# KiCad board shek-rounded.kicad_pcb (continued)
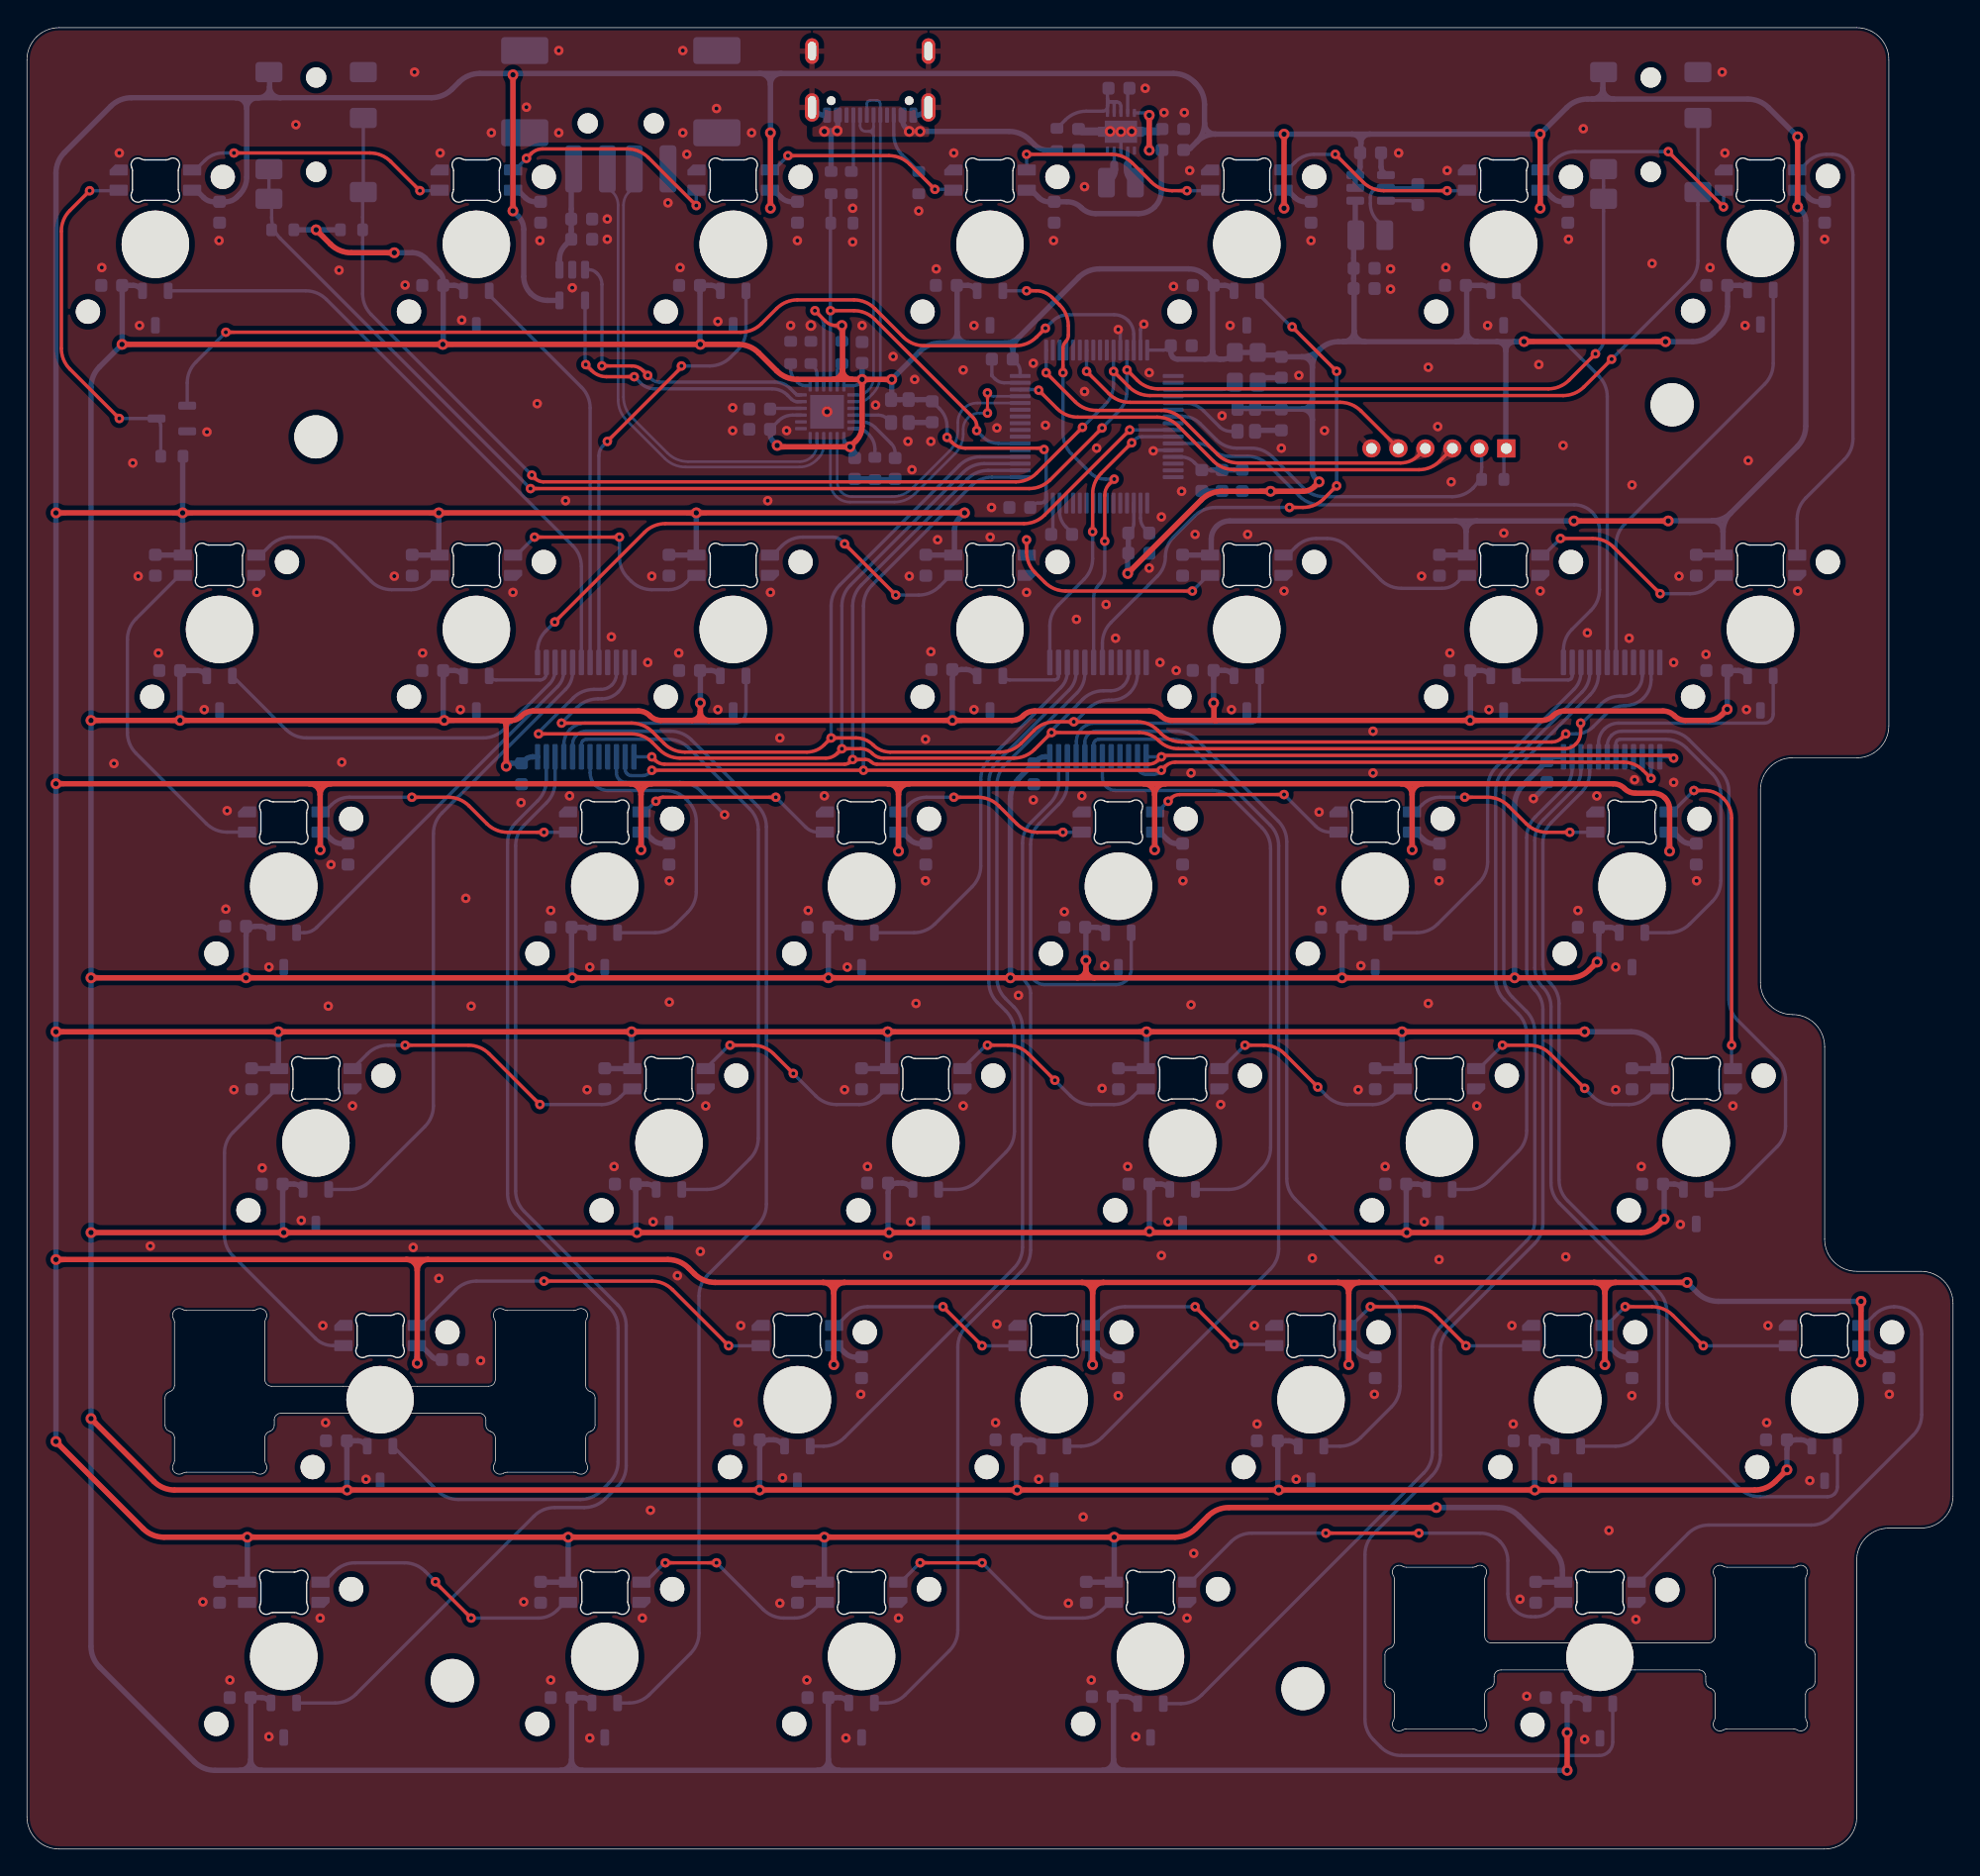
[diagram p0: board, top side]
## Footprints (pads in the part's own frame, mm; a bottom-side part is the same pattern mirrored in y, then rotated)
629104190121
  round 1.5 hole 1.5 unplated: (-2.45,2.9) (2.45,2.9)
  rrect 1.25x3.5 smd: 1(-3.5,6.28) 2(-1,6.28) 3(1,6.28) 4(3.5,6.28)
  rrect 3.5x2 smd: S1(-7.125,3.6) S2(7.125,3.6) S3(-7.125,-2.5) S4(7.125,-2.5)
AMPHENOL_12402012E212A
  round 0.65 hole 0.65 unplated: (-2.89,3.68) (2.89,3.68)
  rrect 0.6x1.14 smd: A1_B12(-3.2,4.75) A4_B9(-2.4,4.75) B1_A12(3.2,4.75) B4_A9(2.4,4.75)
  rrect 0.3x1.14 smd: A5(-1.25,4.75) A6(-0.25,4.75) A7(0.25,4.75) A8(1.25,4.75) B5(1.75,4.75) B6(0.75,4.75) B7(-0.75,4.75) B8(-1.75,4.75)
  oval 1.05x2.1 hole 0.6x1.7: SH1(-4.32,4.18) SH2(4.32,4.18)
  oval 1x1.9 hole 0.6x1.4: SH3(-4.32,0) SH4(4.32,0)
C_0603_1608Metric
  rrect 0.9x0.95 smd: 1(-0.775,0) 2(0.775,0)
Crystal_SMD_Abracon_ABM8G-4Pin_3.2x2.5mm_silkmod
  rrect 1.4x1.2 smd: 1(-1.1,-0.85) 2(1.1,-0.85) 3(1.1,0.85) 4(-1.1,0.85)
HVQFN-24-1EP_4x4mm_P0.5mm_EP2.5x2.5mm
  rrect 1.01x1.01 smd: (-0.625,-0.625) (-0.625,0.625) (0.625,-0.625) (0.625,0.625)
  rrect 0.875x0.25 smd: 1(-1.938,1.25) 2(-1.938,0.75) 3(-1.938,0.25) 4(-1.938,-0.25) 5(-1.938,-0.75) 6(-1.938,-1.25) 13(1.938,-1.25) 14(1.938,-0.75) 15(1.938,-0.25) 16(1.938,0.25) 17(1.938,0.75) 18(1.938,1.25)
  rrect 0.25x0.875 smd: 7(-1.25,-1.938) 8(-0.75,-1.938) 9(-0.25,-1.938) 10(0.25,-1.938) 11(0.75,-1.938) 12(1.25,-1.938) 19(1.25,1.938) 20(0.75,1.938) 21(0.25,1.938) 22(-0.25,1.938) 23(-0.75,1.938) 24(-1.25,1.938)
  rect 2.5x2.5 smd: 25(0,0)
L_0603_1608Metric
  rrect 0.875x0.95 smd: 1(-0.787,0) 2(0.787,0)
L_1008_2520Metric
  rrect 1.25x2.2 smd: 1(-1.075,0) 2(1.075,0)
LED_choc_6028R
  rrect 1.35x0.82 smd: 1(-2.725,-0.75) 2(-2.725,0.75) 3(2.725,-0.75) 4(2.725,0.75)
LQFP-64_10x10mm_P0.5mm
  rrect 1.55x0.3 smd: 1(-5.675,3.75) 2(-5.675,3.25) 3(-5.675,2.75) 4(-5.675,2.25) 5(-5.675,1.75) 6(-5.675,1.25) 7(-5.675,0.75) 8(-5.675,0.25) 9(-5.675,-0.25) 10(-5.675,-0.75) 11(-5.675,-1.25) 12(-5.675,-1.75) 13(-5.675,-2.25) 14(-5.675,-2.75) 15(-5.675,-3.25) 16(-5.675,-3.75) 33(5.675,-3.75) 34(5.675,-3.25) 35(5.675,-2.75) 36(5.675,-2.25) 37(5.675,-1.75) 38(5.675,-1.25) 39(5.675,-0.75) 40(5.675,-0.25) 41(5.675,0.25) 42(5.675,0.75) 43(5.675,1.25) 44(5.675,1.75) 45(5.675,2.25) 46(5.675,2.75) 47(5.675,3.25) 48(5.675,3.75)
  rrect 0.3x1.55 smd: 17(-3.75,-5.675) 18(-3.25,-5.675) 19(-2.75,-5.675) 20(-2.25,-5.675) 21(-1.75,-5.675) 22(-1.25,-5.675) 23(-0.75,-5.675) 24(-0.25,-5.675) 25(0.25,-5.675) 26(0.75,-5.675) 27(1.25,-5.675) 28(1.75,-5.675) 29(2.25,-5.675) 30(2.75,-5.675) 31(3.25,-5.675) 32(3.75,-5.675) 49(3.75,5.675) 50(3.25,5.675) 51(2.75,5.675) 52(2.25,5.675) 53(1.75,5.675) 54(1.25,5.675) 55(0.75,5.675) 56(0.25,5.675) 57(-0.25,5.675) 58(-0.75,5.675) 59(-1.25,5.675) 60(-1.75,5.675) 61(-2.25,5.675) 62(-2.75,5.675) 63(-3.25,5.675) 64(-3.75,5.675)
MountingHole_3.2mm_M3
  round 3.2 hole 3.2 unplated: (0,0)
Oscillator_SMD_SeikoEpson_SG210-4Pin_2.5x2.0mm
  rrect 1.1x0.9 smd: 1(-0.85,-0.65) 2(0.85,-0.65) 3(0.85,0.65) 4(-0.85,0.65)
PinHeader_1x06_P2.00mm_Horizontal
  rect 1.35x1.35 hole 0.8: 1(0,0)
  round 1.35 hole 0.8: 2(0,-2) 3(0,-4) 4(0,-6) 5(0,-8) 6(0,-10)
R_0603_1608Metric
  rrect 0.8x0.95 smd: 1(-0.825,0) 2(0.825,0)
SOT-23-3
  rrect 1.325x0.6 smd: 1(-1.137,0.95) 2(-1.137,-0.95) 3(1.137,0)
SOT-23-3_ChocV2-1.5U
  round 1.8 hole 1.8 unplated: (-5,-5) (5,5)
  round 5 hole 5 unplated: (0,0)
  rrect 0.65x1.22 smd far side: 1(-0.95,-3.45) 2(0.95,-3.45) 3(0,-6.01)
SOT-23-3_ChocV2-1.25U
  round 1.8 hole 1.8 unplated: (-5,-5) (5,5)
  round 5 hole 5 unplated: (0,0)
  rrect 0.65x1.22 smd far side: 1(-0.95,-3.5) 2(0.95,-3.5) 3(0,-6.01)
SOT-23-3_ChocV2-1.75U
  round 1.8 hole 1.8 unplated: (-5,-5) (5,5)
  round 5 hole 5 unplated: (0,0)
  rrect 0.65x1.22 smd far side: 1(-0.95,-3.45) 2(0.95,-3.45) 3(0,-6.01)
SOT-23-3_ChocV2-1U
  round 1.8 hole 1.8 unplated: (-5,-5) (5,5)
  round 5 hole 5 unplated: (0,0)
  rrect 0.65x1.22 smd far side: 1(-0.95,-3.45) 2(0.95,-3.45) 3(0,-6.01)
SOT-23-5
  rrect 1.325x0.6 smd: 1(-1.137,0.95) 2(-1.137,0) 3(-1.137,-0.95) 4(1.137,-0.95) 5(1.137,0.95)
SSOP-24_5.3x8.2mm_P0.65mm
  rrect 1.9x0.4 smd: 1(-3.5,3.575) 2(-3.5,2.925) 3(-3.5,2.275) 4(-3.5,1.625) 5(-3.5,0.975) 6(-3.5,0.325) 7(-3.5,-0.325) 8(-3.5,-0.975) 9(-3.5,-1.625) 10(-3.5,-2.275) 11(-3.5,-2.925) 12(-3.5,-3.575) 13(3.5,-3.575) 14(3.5,-2.925) 15(3.5,-2.275) 16(3.5,-1.625) 17(3.5,-0.975) 18(3.5,-0.325) 19(3.5,0.325) 20(3.5,0.975) 21(3.5,1.625) 22(3.5,2.275) 23(3.5,2.925) 24(3.5,3.575)
TENSILITY_54-00177
  round 1.5 hole 1.5 unplated: (0,-3.5) (0,3.5)
  rrect 2x1.5 smd: 1(3.5,-3.9) 2(-3.5,-3.9) 3(3.5,-0.5) 4(-3.5,3.3) 5(-3.5,5.5) 6(3.5,5)
Texas_DRC0010J
  rrect 0.25x0.34 smd: (-0.25,-1.53) (-0.25,1.53) (0.25,-1.53) (0.25,1.53)
  rrect 1.5x1.06 smd: (0,-0.63) (0,0.63)
  rrect 0.6x0.24 smd: 1(-1.4,1) 2(-1.4,0.5) 3(-1.4,0) 4(-1.4,-0.5) 5(-1.4,-1) 6(1.4,-1) 7(1.4,-0.5) 8(1.4,0) 9(1.4,0.5) 10(1.4,1)
  custom 1.65x3.4 smd: 11(0,0)
TSOT-23-6
  rrect 1.325x0.6 smd: 1(-1.137,0.95) 2(-1.137,0) 3(-1.137,-0.95) 4(1.137,-0.95) 5(1.137,0) 6(1.137,0.95)

## Nets
3V3: C1.2 C2.1 C4.1 C5.1 C14.1 C15.1 C17.1 C18.1 C19.1 C20.1 C21.1 C24.2 C26.2 C34.1 C35.1 C36.1 C37.1 C38.1 C39.1 C40.1 C48.1 C49.1 C50.1 C51.1 C52.1 C53.1 C54.1 C55.1 C56.1 C57.1 C64.1 C65.1 C66.1 C67.1 C68.1 C69.1 C76.1 C77.1 C78.1 C79.1 C80.1 C81.1 C88.1 C89.1 C90.1 C91.1 C92.1 C93.1 C99.1 C100.1 C101.1 C102.1 C103.1 FB1.2 J4.1 L2.2 R6.1 R10.2 R11.2 R12.2 U1.1 U1.9 U1.15 U1.18 U4.1 U5.19 U5.32 U5.48 U5.64 U6.1 U7.1 U8.1 U9.1 U10.1 U11.1 U12.1 U13.1 U14.1 U15.1 U16.1 U17.1 U18.1 U19.1 U20.1 U21.1 U22.1 U23.1 U24.1 U25.1 U26.1 U27.1 U28.1 U29.1 U30.1 U31.1 U32.1 U33.1 U34.1 U35.1 U36.1 U37.1 U38.1 U39.1 U40.1 U41.1 U42.1 U43.24 U44.24 U45.24 Y1.1 Y1.4 Y2.1 Y2.4 Y3.1 Y3.4
5V: C10.1 C11.1 C16.1 C27.2 C28.2 C29.2 C30.2 C31.2 C32.2 C33.2 C41.2 C42.2 C43.2 C44.2 C45.2 C46.2 C47.2 C58.2 C59.2 C60.2 C61.2 C62.2 C63.2 C70.2 C71.2 C72.2 C73.2 C74.2 C75.2 C82.2 C83.2 C84.2 C85.2 C86.2 C87.2 C94.2 C95.2 C96.2 C97.2 C98.2 J3.2 J5.2 LED0.1 LED1.1 LED2.1 LED3.1 LED4.1 LED5.1 LED6.1 LED7.1 LED8.1 LED9.1 LED10.1 LED11.1 LED12.1 LED13.1 LED14.1 LED15.1 LED16.1 LED17.1 LED18.1 LED19.1 LED20.1 LED21.1 LED22.1 LED23.1 LED24.1 LED25.1 LED26.1 LED27.1 LED28.1 LED29.1 LED30.1 LED31.1 LED32.1 LED33.1 LED34.1 LED35.1 LED36.1 R13.2 U2.5 U3.1 U3.10 U4.2 U4.3
/VBUS2: C7.1 C8.1 J2.1 U2.1
/VDDA: C22.1 C23.1 FB1.1 U5.13
GND: C1.1 C2.2 C3.2 C4.2 C5.2 C6.2 C7.2 C8.2 C9.2 C10.2 C11.2 C12.2 C14.2 C15.2 C16.2 C17.2 C18.2 C19.2 C20.2 C21.2 C22.2 C23.2 C24.1 C25.2 C26.1 C27.1 C28.1 C29.1 C30.1 C31.1 C32.1 C33.1 C34.2 C35.2 C36.2 C37.2 C38.2 C39.2 C40.2 C41.1 C42.1 C43.1 C44.1 C45.1 C46.1 C47.1 C48.2 C49.2 C50.2 C51.2 C52.2 C53.2 C54.2 C55.2 C56.2 C57.2 C58.1 C59.1 C60.1 C61.1 C62.1 C63.1 C64.2 C65.2 C66.2 C67.2 C68.2 C69.2 C70.1 C71.1 C72.1 C73.1 C74.1 C75.1 C76.2 C77.2 C78.2 C79.2 C80.2 C81.2 C82.1 C83.1 C84.1 C85.1 C86.1 C87.1 C88.2 C89.2 C90.2 C91.2 C92.2 C93.2 C94.1 C95.1 C96.1 C97.1 C98.1 C99.2 C100.2 C101.2 C102.2 C103.2 J1.A1_B12 J1.B1_A12 J1.SH1 J1.SH2 J1.SH3 J1.SH4 J2.4 J2.S1 J2.S2 J2.S3 J2.S4 J3.1 J4.6 J5.1 LED0.4 LED1.4 LED2.4 LED3.4 LED4.4 LED5.4 LED6.4 LED7.4 LED8.4 LED9.4 LED10.4 LED11.4 LED12.4 LED13.4 LED14.4 LED15.4 LED16.4 LED17.4 LED18.4 LED19.4 LED20.4 LED21.4 LED22.4 LED23.4 LED24.4 LED25.4 LED26.4 LED27.4 LED28.4 LED29.4 LED30.4 LED31.4 LED32.4 LED33.4 LED34.4 LED35.4 LED36.4 Q1.2 R2.1 R3.2 R4.2 R5.2 R7.2 R8.2 U1.25 U2.2 U3.3 U3.9 U3.11 U4.4 U5.12 U5.18 U5.31 U5.47 U5.60 U5.63 U6.3 U7.3 U8.3 U9.3 U10.3 U11.3 U12.3 U13.3 U14.3 U15.3 U16.3 U17.3 U18.3 U19.3 U20.3 U21.3 U22.3 U23.3 U24.3 U25.3 U26.3 U27.3 U28.3 U29.3 U30.3 U31.3 U32.3 U33.3 U34.3 U35.3 U36.3 U37.3 U38.3 U39.3 U40.3 U41.3 U42.3 U43.8 U43.9 U43.12 U43.15 U43.16 U43.17 U44.8 U44.9 U44.12 U44.15 U44.16 U44.17 U45.9 U45.12 U45.15 U45.16 U45.17 Y1.2 Y2.2 Y3.2
VBUS: C9.1 J1.A4_B9 J1.B4_A9 R1.1 R9.2 U3.5
VBUS2_EN: U1.11 U2.4
VBUS_DET: R1.2 R2.2 U1.16 U5.38
DN1_D+: U1.3 U5.45
DN1_D-: U1.2 U5.44
DN2_D+: J2.3 U1.5
DN2_D-: J2.2 U1.4
LED_D: LED6.3 Q1.3 R13.1
MUX0_A2: U12.2 U43.7
MUX0_A3: U11.2 U43.6
MUX0_A4: U41.2 U43.5
MUX0_A5: U30.2 U43.4
MUX0_A6: U24.2 U43.3
MUX0_A7: U18.2 U43.2
MUX0_A8: U42.2 U43.23
MUX0_A9: U36.2 U43.22
MUX0_A10: U37.2 U43.21
MUX0_A11: U19.2 U43.20
MUX0_A12: U31.2 U43.19
MUX0_A13: U25.2 U43.18
MUX0_COM: U5.11 U43.1
MUX1_A2: U10.2 U44.7
MUX1_A3: U9.2 U44.6
MUX1_A4: U33.2 U44.5
MUX1_A5: U28.2 U44.4
MUX1_A6: U22.2 U44.3
MUX1_A7: U16.2 U44.2
MUX1_A8: U40.2 U44.23
MUX1_A9: U23.2 U44.22
MUX1_A10: U17.2 U44.21
MUX1_A11: U35.2 U44.20
MUX1_A12: U34.2 U44.19
MUX1_A13: U29.2 U44.18
MUX1_COM: U5.10 U44.1
MUX2_A1: U8.2 U45.8
MUX2_A2: U7.2 U45.7
MUX2_A3: U6.2 U45.6
MUX2_A4: U26.2 U45.5
MUX2_A5: U20.2 U45.4
MUX2_A6: U13.2 U45.3
MUX2_A7: U14.2 U45.2
MUX2_A8: U32.2 U45.23
MUX2_A9: U38.2 U45.22
MUX2_A10: U15.2 U45.21
MUX2_A11: U39.2 U45.20
MUX2_A12: U27.2 U45.19
MUX2_A13: U21.2 U45.18
MUX2_COM: U5.9 U45.1
MUX_S0: U5.35 U43.10 U44.10 U45.10
MUX_S1: U5.36 U43.11 U44.11 U45.11
MUX_S2: U5.33 U43.14 U44.14 U45.14
MUX_S3: U5.34 U43.13 U44.13 U45.13
NRST: J4.2 R10.1 U5.7
OCS2: U1.12 U2.3
OSC32: U5.3 Y3.3
PH0: U5.5 Y2.3
PH1: U5.6
SCL: J3.4 J3.5 J5.4 J5.5 R12.1 U5.61
SDA: J3.3 J3.6 J5.3 J5.6 R11.1 U5.59
SWCLK: J4.4 U5.49
SWDIO: J4.3 U5.46
SWO: J4.5 U5.55
UP_D+: J1.A6 J1.B6 U1.20
UP_D-: J1.A7 J1.B7 U1.19
XTALIN: U1.22 Y1.3
XTAOUT: U1.21
Net-(J1-CC1_A): J1.A5 R3.1
Net-(J1-CC1_B): J1.B5 R4.1
Net-(LED1-DOUT): LED5.3 LED6.2
Net-(LED2-DOUT): LED4.3 LED5.2
Net-(LED3-DOUT): LED3.3 LED4.2
Net-(LED4-DOUT): LED2.3 LED3.2
Net-(LED5-DOUT): LED1.3 LED2.2
Net-(LED6-DOUT): LED0.3 LED1.2
Net-(LED7-DOUT): LED0.2 LED7.3
Net-(LED8-DOUT): LED7.2 LED8.3
Net-(LED10-DIN): LED8.2 LED9.3
Net-(LED10-DOUT): LED9.2 LED10.3
Net-(LED11-DOUT): LED10.2 LED11.3
Net-(LED12-DOUT): LED11.2 LED12.3
Net-(LED13-DOUT): LED12.2 LED13.3
Net-(LED14-DOUT): LED13.2 LED19.3
Net-(LED15-DOUT): LED18.3 LED19.2
Net-(LED16-DOUT): LED17.3 LED18.2
Net-(LED17-DOUT): LED16.3 LED17.2
Net-(LED18-DOUT): LED15.3 LED16.2
Net-(LED19-DOUT): LED14.3 LED15.2
Net-(LED20-DOUT): LED14.2 LED20.3
Net-(LED21-DOUT): LED20.2 LED21.3
Net-(LED22-DOUT): LED21.2 LED22.3
Net-(LED23-DOUT): LED22.2 LED23.3
Net-(LED24-DOUT): LED23.2 LED24.3
Net-(LED25-DOUT): LED24.2 LED25.3
Net-(LED26-DOUT): LED25.2 LED31.3
Net-(LED27-DOUT): LED30.3 LED31.2
Net-(LED28-DOUT): LED29.3 LED30.2
Net-(LED29-DOUT): LED28.3 LED29.2
Net-(LED30-DOUT): LED27.3 LED28.2
Net-(LED31-DOUT): LED26.3 LED27.2
Net-(LED32-DOUT): LED26.2 LED32.3
Net-(LED33-DOUT): LED32.2 LED33.3
Net-(LED34-DOUT): LED33.2 LED34.3
Net-(LED35-DOUT): LED34.2 LED35.3
Net-(LED36-DOUT): LED35.2 LED36.3
Net-(Q1-G): Q1.1 U5.62
Net-(U1-CRFILT): C6.1 U1.10
Net-(U1-PLLFILT): C3.1 U1.23
Net-(U1-RBIAS): R5.1 U1.24
Net-(U1-SMBCLK*CFG_SEL0): R7.1 U1.14
Net-(U1-SMBDATA*NON_REM1): R8.1 U1.13
Net-(U1-SUSP_IND*LOCAL_PWR*(NON_REM0)): R6.2 U1.17
Net-(U3-EN): C12.1 R9.1 U3.6 U3.7 U3.8
Net-(U3-L1): L1.2 U3.4
Net-(U3-L2): L1.1 U3.2
Net-(U4-BST): C13.2 U4.6
Net-(U4-SW): C13.1 L2.1 U4.5
Net-(U5-VCAP_1): C25.1 U5.30

Pads without a net: J1 A8 B8; LED36 2; U1 6 7 8; U5 1 2 4 8 14 15 16 17 20 21 22 23 24 25 26 27 28 29 37 39 40 41 42 43 50 51 52 53 54 56 57 58

## Via types
v1: diameter 0.7, hole 0.3, Top to Bottom, 381 vias
v2: diameter 0.8, hole 0.4, Top to Bottom, 106 vias

## Routing (per net, layer and track width the routed paths; a pad name or vN(x,y) marks a point on that pad's centre or on a via; arc(x,y) is an arc through that point)
3V3: length 1223.8
  Top w0.25: v1(68.25,104.74) 68.65,104.34 arc(69.09,104.04) 69.62,103.94 75.28,103.94 arc(75.34,103.92) 75.4,103.89 v1(75.45,103.84) ; v1(58.45,114.14) 59.23,113.36 arc(59.58,113.12) 60,113.04 v2(60.45,113.04)
  Top w0.4: 79.2,64.64 77.9,64.64 ; 79.2,64.64 v2(97.55,64.64) 114.47,64.64 arc(115.24,64.79) 115.89,65.23 v2(116.48,65.81) ; 79.2,64.64 arc(78.74,64.83) 78.55,65.29 ; 77.9,64.64 v2(59.45,64.64) v2(40.45,64.64) v2(16.25,64.64) v2(4.75,64.64) ; 77.9,64.64 arc(78.36,64.83) 78.55,65.29 ; v2(88.02,85.04) 88.04,85.03 arc(88.05,85.01) 88.05,84.99 88.05,83.91 arc(88.06,83.84) 88.1,83.79 ; v2(4.75,45.74) v2(19.05,45.74) v2(45.25,45.74) v2(63.95,45.74) 83.11,45.74 arc(83.17,45.75) 83.22,45.78 v2(83.26,45.83) 83.31,45.78 arc(83.35,45.75) 83.41,45.74 v2(102.35,45.74) 119.74,45.74 arc(120.4,45.87) 120.95,46.24 v2(121.45,46.74) ; v2(27.25,118.44) 24.05,118.44 arc(23.22,118.6) 22.51,119.08 v2(21.45,120.14) ; v2(114.25,8.64) v2(114.25,5.84) ; v2(4.75,83.74) v2(11.35,83.74) v2(30.95,83.74) 35.15,83.74 ; 50.6,83.74 v2(68.65,83.74) 73.06,83.74 arc(73.51,83.83) 73.9,84.09 arc(74.29,84.35) 74.74,84.44 83.26,84.44 arc(83.71,84.35) 84.1,84.09 arc(84.49,83.83) 84.94,83.74 88.08,83.74 ; 50.6,83.74 49.3,83.74 ; 50.6,83.74 arc(50.14,83.93) 49.95,84.39 ; 78.55,65.29 v2(78.55,65.94) ; 60.5,109.76 60.5,112.95 arc(60.49,112.98) 60.48,113.01 v2(60.45,113.04) ; 60.5,109.76 arc(60.71,109.25) 61.23,109.04 ; 60.5,109.76 arc(60.29,109.25) 59.77,109.04 ; v2(61.95,109.04) 61.95,105.57 arc(61.83,104.99) 61.5,104.49 v2(61.05,104.04) 55.82,104.04 arc(55.76,104.05) 55.7,104.09 v2(55.65,104.14) ; v2(61.95,109.04) v2(64.15,109.04) ; v2(61.95,109.04) 61.23,109.04 ; 49.3,83.74 47.04,83.74 arc(46.59,83.83) 46.2,84.09 arc(45.81,84.35) 45.36,84.44 37.54,84.44 arc(37.09,84.35) 36.7,84.09 36.63,84.02 arc(36.32,83.81) 35.95,83.74 ; 49.3,83.74 arc(49.76,83.93) 49.95,84.39 ; 88.08,83.74 88.22,83.74 ; 88.08,83.74 arc(88.11,83.76) 88.1,83.79 ; 35.15,83.74 35.95,83.74 ; 35.15,83.74 arc(35.43,83.62) 35.55,83.34 ; 35.95,83.74 arc(35.67,83.62) 35.55,83.34 ; v2(4.75,31.94) 9.41,27.28 arc(10.12,26.8) 10.95,26.64 v2(23.75,26.64) v2(54.35,26.64) v2(73.45,26.64) v2(92.85,26.64) v2(111.85,26.64) 128.15,26.64 arc(128.98,26.8) 129.69,27.28 v2(130.55,28.14) ; 88.22,83.74 v2(107.05,83.74) 112.36,83.74 arc(112.81,83.83) 113.2,84.09 arc(113.59,84.35) 114.04,84.44 121.36,84.44 arc(121.81,84.35) 122.2,84.09 arc(122.59,83.83) 123.04,83.74 124.72,83.74 arc(125.26,83.84) 125.71,84.15 v2(126.12,84.56) ; 88.22,83.74 arc(88.16,83.75) 88.1,83.79 ; v2(81.65,94.64) 87.11,100.1 arc(87.82,100.57) 88.65,100.74 v2(92.25,100.74) 94.66,100.74 arc(95.11,100.83) 95.5,101.09 v2(95.85,101.44) ; 35.55,83.34 v2(35.55,80.34) ; 59.77,109.04 57.15,109.04 arc(56.32,109.2) 55.61,109.68 54.29,111 arc(53.58,111.47) 52.75,111.64 v2(30.85,111.64) v2(7.05,111.64) ; 59.77,109.04 61.23,109.04 ; v2(121.55,111.84) 121.55,111.84 arc(121.54,111.85) 121.53,111.85 v2(111.05,111.85) ; v2(49.95,85.04) 49.95,84.39
  Bottom w0.25: U5.48 73.68,109.64 arc(73.61,109.96) 73.43,110.23 73.14,110.53 ; v2(61.95,109.04) 61.95,108.99 arc(61.94,108.94) 61.91,108.9 61.77,108.76 arc(61.57,108.62) 61.33,108.58 U1.18 ; 74.43,99.54 74.59,99.7 arc(74.77,99.82) 74.98,99.86 75.18,99.86 arc(75.48,99.99) 75.6,100.29 75.6,103.58 arc(75.58,103.68) 75.52,103.76 v1(75.45,103.84) ; 61.23,103.86 60.68,104.41 arc(60.62,104.5) 60.6,104.59 U1.1 ; v1(58.45,114.14) 58.77,113.81 arc(59.02,113.45) 59.1,113.03 U1.15 ; U1.9 56.79,106.39 arc(56.22,106.27) 55.74,105.95 55.36,105.58 arc(55.19,105.31) 55.12,105 ; 109.56,103.62 R10.2 ; U5.64 84.3,111.21 arc(84.51,111.25) 84.69,111.38 ; 67.21,107.35 67.7,106.86 arc(68.11,106.25) 68.25,105.53 v1(68.25,104.74) ; U5.19 82.1,98.32 arc(82.05,98.06) 81.9,97.84 arc(81.75,97.62) 81.7,97.35
  Bottom w0.4: U26.1 20.28,49.14 arc(20.06,49.29) 19.8,49.34 19.52,49.34 arc(19.13,49.17) 18.97,48.78 18.97,45.88 arc(18.98,45.82) 19.01,45.78 v2(19.05,45.74) ; 60.25,5.84 79.8,5.84 ; 60.25,5.84 58.65,5.84 ; 60.25,5.84 arc(59.68,6.07) 59.45,6.64 ; 79.8,5.84 81.4,5.84 ; 79.8,5.84 arc(80.37,6.07) 80.6,6.64 ; 88.52,110.54 88.75,110.54 arc(89.07,110.6) 89.35,110.79 arc(89.63,110.97) 89.95,111.04 91.16,111.04 arc(91.29,111.01) 91.4,110.94 arc(91.51,110.86) 91.64,110.84 92.84,110.84 arc(92.92,110.82) 92.99,110.78 arc(93.06,110.73) 93.14,110.71 94.55,110.71 ; 88.52,110.54 87.38,110.54 ; 88.52,110.54 arc(88.12,110.71) 87.95,111.11 ; v2(88.02,85.04) 88.02,86.9 arc(88.19,87.29) 88.58,87.45 88.84,87.45 arc(89.11,87.39) 89.33,87.24 U17.1 ; v2(92.25,100.74) 92.24,100.74 arc(92.24,100.75) 92.23,100.75 FB1.2 ; U43.24 113.3,81.04 arc(113.09,81) 112.91,80.88 110.99,78.95 arc(110.52,78.24) 110.35,77.41 v2(110.35,64.64) ; U31.1 122.68,49.14 arc(122.45,49.29) 122.19,49.34 121.42,49.34 arc(121.4,49.32) 121.41,49.29 arc(121.44,49.25) 121.45,49.19 v2(121.45,46.74) ; U15.1 51.24,87.24 arc(51.02,87.39) 50.75,87.44 49.94,87.44 arc(49.94,87.43) 49.94,87.43 arc(49.95,87.41) 49.95,87.39 v2(49.95,85.04) ; U6.1 8.38,115.81 arc(8.15,115.96) 7.89,116.01 7.62,116.01 arc(7.23,115.85) 7.06,115.46 7.06,111.66 arc(7.06,111.65) 7.06,111.64 v2(7.05,111.64) 5.39,109.98 arc(4.92,109.27) 4.75,108.44 v2(4.75,83.74) v2(4.75,64.64) v2(4.75,45.74) v2(4.75,31.94) 4.75,15.04 arc(4.92,14.21) 5.39,13.5 12.41,6.48 arc(13.12,6) 13.95,5.84 15.8,5.84 ; v2(114.25,5.84) 81.4,5.84 ; 81.4,5.84 arc(80.83,6.07) 80.6,6.64 ; v2(40.45,64.64) 40.43,64.66 arc(40.41,64.69) 40.4,64.72 40.4,67.83 arc(40.56,68.22) 40.96,68.39 41.23,68.39 arc(41.49,68.34) 41.71,68.19 U21.1 ; 73.15,111.15 73.15,110.58 arc(73.15,110.56) 73.14,110.55 arc(73.13,110.54) 73.14,110.53 ; 73.15,111.15 arc(73.26,111.69) 73.57,112.15 ; 73.15,111.15 arc(72.98,111.57) 72.56,111.74 ; 95.35,107.64 95.35,106.04 ; 95.35,107.64 95.35,109.92 ; 95.35,107.64 arc(95.12,107.07) 94.55,106.84 ; 95.35,106.04 95.35,102.29 arc(95.41,101.96) 95.6,101.69 v2(95.85,101.44) ; 95.35,106.04 arc(95.12,106.6) 94.55,106.84 ; v2(72.95,64.64) 72.95,77.91 arc(73.12,78.74) 73.59,79.45 74.93,80.79 arc(75.2,80.97) 75.52,81.04 U44.24 ; R12.2 R11.2 ; 109.7,111.17 109.7,103.98 arc(109.7,103.95) 109.72,103.94 arc(109.72,103.92) 109.72,103.9 109.65,103.83 arc(109.58,103.73) 109.56,103.62 ; 109.7,111.17 arc(109.9,111.64) 110.37,111.84 ; 109.7,111.17 arc(109.5,111.64) 109.03,111.84 ; v2(111.05,111.85) 111.05,111.84 arc(111.04,111.84) 111.03,111.84 110.37,111.84 ; 107.6,111.84 109.03,111.84 ; 107.6,111.84 106,111.84 ; 107.6,111.84 arc(107.03,112.07) 106.8,112.64 ; 109.03,111.84 110.37,111.84 ; 59.45,6.64 59.45,10.68 arc(59.61,11.07) 60.01,11.24 60.28,11.24 arc(60.54,11.19) 60.76,11.04 U40.1 ; 59.45,6.64 arc(59.22,6.07) 58.65,5.84 ; 80.6,6.64 80.6,11.22 arc(80.59,11.26) 80.57,11.28 arc(80.57,11.3) 80.58,11.31 81.5,11.31 arc(81.84,11.24) 82.13,11.05 U41.1 ; U24.1 98.86,68.19 arc(98.64,68.34) 98.38,68.39 98.11,68.39 arc(97.71,68.22) 97.55,67.83 v2(97.55,64.64) ; 69,112.54 69,115.97 arc(69,115.99) 68.99,116 arc(68.99,116.01) 68.99,116.01 69.8,116.01 arc(70.07,115.96) 70.29,115.81 U9.1 ; 69,112.54 arc(69.23,111.97) 69.8,111.74 ; 69,112.54 arc(68.77,111.97) 68.2,111.74 ; 58.65,5.84 41.2,5.84 ; 41.2,5.84 39.6,5.84 ; 41.2,5.84 arc(40.63,6.07) 40.4,6.64 ; 87.38,110.54 85.36,110.54 arc(85.17,110.58) 85,110.69 arc(84.89,110.85) 84.85,111.05 84.85,111.31 arc(84.79,111.4) 84.69,111.38 ; 87.38,110.54 arc(87.78,110.71) 87.95,111.11 ; v2(49.95,111.64) 49.94,111.65 arc(49.93,111.66) 49.93,111.68 49.93,115.46 arc(50.09,115.85) 50.48,116.01 50.75,116.01 arc(51.02,115.96) 51.24,115.81 U8.1 ; 67.21,107.35 67.09,107.48 arc(67.02,107.52) 66.94,107.54 64.14,107.54 arc(64.12,107.55) 64.12,107.56 arc(64.14,107.59) 64.15,107.62 v2(64.15,109.04) 66.21,111.1 arc(66.92,111.57) 67.75,111.74 68.2,111.74 ; v2(130.55,28.14) 130.55,29.67 arc(130.75,30.16) 131.24,30.36 131.59,30.36 arc(131.9,30.3) 132.16,30.12 U37.1 ; 39.6,5.84 17.4,5.84 ; 39.6,5.84 arc(40.17,6.07) 40.4,6.64 ; v2(45.25,45.74) 45.21,45.78 arc(45.17,45.83) 45.16,45.89 45.16,48.78 arc(45.33,49.17) 45.72,49.34 45.99,49.34 arc(46.25,49.29) 46.48,49.14 U27.1 ; U42.1 115.5,11.01 arc(115.24,11.18) 114.94,11.24 114.24,11.24 arc(114.23,11.23) 114.23,11.22 arc(114.25,11.2) 114.25,11.18 v2(114.25,8.64) ; 30.88,115.66 30.88,111.68 arc(30.87,111.66) 30.86,111.65 v2(30.85,111.64) ; 30.88,115.66 30.88,116.36 ; 30.88,115.66 arc(30.98,115.91) 31.23,116.01 ; v2(92.85,26.64) 92.82,26.67 arc(92.8,26.7) 92.79,26.74 92.79,29.73 arc(92.95,30.12) 93.34,30.29 93.62,30.29 arc(93.88,30.24) 94.1,30.09 U35.1 ; 68.2,111.74 69.8,111.74 ; U7.1 32.19,115.81 arc(31.97,115.96) 31.7,116.01 31.23,116.01 ; U32.1 25.04,30.09 arc(24.82,30.24) 24.56,30.29 24.29,30.29 arc(23.89,30.12) 23.73,29.73 23.73,26.67 arc(23.73,26.66) 23.74,26.65 v2(23.75,26.64) ; 106.8,112.64 106.8,115.91 arc(106.79,115.95) 106.77,115.98 arc(106.77,116) 106.78,116.01 107.9,116.01 arc(108.17,115.96) 108.39,115.81 U11.1 ; 106.8,112.64 arc(106.57,112.07) 106,111.84 ; v2(59.45,64.64) 59.45,67.83 arc(59.61,68.22) 60.01,68.39 60.28,68.39 arc(60.54,68.34) 60.76,68.19 U22.1 ; U14.1 32.19,87.24 arc(31.97,87.39) 31.7,87.44 31.43,87.44 arc(31.04,87.27) 30.88,86.88 30.88,83.87 arc(30.88,83.82) 30.91,83.78 v2(30.95,83.74) ; 106,111.84 99.25,111.84 ; 99.25,111.84 97.65,111.84 ; 99.25,111.84 arc(98.68,112.07) 98.45,112.64 ; 61.23,103.86 v2(61.05,104.04) ; 61.23,103.86 arc(61.36,103.67) 61.4,103.45 ; 61.23,103.86 arc(61.36,103.67) 61.4,103.45 ; 84.77,48.94 84.57,49.14 arc(84.35,49.29) 84.09,49.34 83.82,49.34 arc(83.43,49.17) 83.26,48.78 v2(83.26,45.83) ; 81.7,97.35 81.7,96.17 arc(81.69,96.14) 81.68,96.11 arc(81.66,96.08) 81.65,96.05 v2(81.65,94.64) ; U18.1 108.39,87.24 arc(108.17,87.39) 107.9,87.44 107.63,87.44 arc(107.24,87.27) 107.07,86.88 107.07,83.78 arc(107.07,83.76) 107.06,83.75 v2(107.05,83.74) ; 16.6,6.64 16.6,11.22 arc(16.6,11.22) 16.59,11.23 arc(16.59,11.24) 16.6,11.24 17.42,11.24 arc(17.68,11.19) 17.9,11.04 U38.1 ; 16.6,6.64 arc(16.37,6.07) 15.8,5.84 ; 16.6,6.64 arc(16.83,6.07) 17.4,5.84 ; v2(102.35,45.74) 102.33,45.76 arc(102.32,45.78) 102.31,45.8 102.31,48.78 arc(102.48,49.17) 102.87,49.34 103.14,49.34 arc(103.4,49.29) 103.62,49.14 U30.1 ; 94.55,106.84 93.09,106.84 arc(93.08,106.83) 93.06,106.83 arc(93.05,106.82) 93.04,106.83 93.01,106.85 arc(92.97,106.88) 92.92,106.89 Y2.4 ; U19.1 127.44,87.24 arc(127.22,87.39) 126.95,87.44 126.68,87.44 arc(126.29,87.27) 126.12,86.88 v2(126.12,84.56) ; v2(54.35,26.64) 54.35,26.64 arc(54.35,26.64) 54.35,26.64 54.35,29.67 arc(54.55,30.16) 55.04,30.36 55.39,30.36 arc(55.7,30.3) 55.96,30.12 U33.1 ; 88.02,116.07 88.02,116.09 arc(88.01,116.16) 87.97,116.22 87.49,116.7 arc(86.89,117.1) 86.19,117.24 79.55,117.24 arc(78.72,117.07) 78.01,116.6 73.57,112.15 ; 88.02,116.07 arc(88.02,116.02) 87.99,115.98 ; 88.02,116.07 arc(88.04,116.03) 88.08,116.01 ; v2(35.55,80.34) 35.66,80.44 arc(35.77,80.52) 35.91,80.55 36.34,80.55 arc(36.66,80.61) 36.93,80.79 arc(37.2,80.97) 37.52,81.04 U45.24 ; v2(60.45,113.04) R6.1 ; 94.55,110.71 arc(95.12,110.48) 95.35,109.92 ; 94.55,110.71 arc(95.29,110.86) 95.91,111.28 ; v2(27.25,118.44) 28.58,118.44 arc(29.11,118.33) 29.55,118.04 30.63,116.96 arc(30.81,116.69) 30.88,116.36 ; 69.8,111.74 72.56,111.74 ; 97.65,111.84 97.27,111.84 arc(96.54,111.69) 95.91,111.28 ; 97.65,111.84 arc(98.22,112.07) 98.45,112.64 ; 98.45,112.64 98.45,115.72 arc(98.45,115.74) 98.43,115.76 arc(98.42,115.78) 98.42,115.8 98.42,119.46 arc(98.44,119.57) 98.5,119.66 98.55,119.72 arc(98.56,119.74) 98.55,119.76 arc(98.54,119.78) 98.53,119.81 U4.1 ; v2(68.65,83.74) 68.65,83.74 arc(68.64,83.75) 68.64,83.75 68.64,86.82 arc(68.84,87.31) 69.33,87.51 69.68,87.51 arc(69.99,87.45) 70.25,87.27 U16.1 ; U25.1 117.91,68.19 arc(117.69,68.34) 117.43,68.39 117.16,68.39 arc(116.76,68.22) 116.6,67.83 116.6,66.03 arc(116.58,65.94) 116.54,65.88 v2(116.48,65.81) ; v2(55.65,104.14) 55.36,104.42 arc(55.19,104.69) 55.12,105 ; 31.23,116.01 arc(30.98,116.12) 30.88,116.36 ; 17.4,5.84 15.8,5.84 ; 95.35,109.92 arc(95.5,110.65) 95.91,111.28 ; U20.1 17.86,68.22 arc(17.6,68.4) 17.29,68.46 16.94,68.46 arc(16.45,68.26) 16.25,67.77 16.25,64.64 arc(16.25,64.64) 16.25,64.64 v2(16.25,64.64) ; 61.4,103.45 C2.1 ; U23.1 79.81,68.19 arc(79.59,68.34) 79.33,68.39 78.54,68.39 arc(78.52,68.38) 78.52,68.36 arc(78.54,68.33) 78.55,68.3 v2(78.55,65.94) ; 87.95,111.11 87.95,115.88 arc(87.96,115.93) 87.99,115.98 ; 72.56,111.74 arc(73.11,111.85) 73.57,112.15 ; v2(61.95,109.04) C4.1 ; 88.08,116.01 88.85,116.01 arc(89.12,115.96) 89.34,115.81 U10.1 ; 88.08,116.01 arc(88.03,116) 87.99,115.98 ; v2(11.35,83.74) 11.35,87.42 arc(11.35,87.42) 11.36,87.43 arc(11.36,87.44) 11.37,87.44 12.65,87.44 arc(12.92,87.39) 13.14,87.24 U13.1 ; U28.1 65.49,49.17 arc(65.23,49.35) 64.92,49.41 64.57,49.41 arc(64.08,49.21) 63.88,48.72 63.88,45.86 arc(63.89,45.81) 63.91,45.77 v2(63.95,45.74) ; U12.1 127.47,115.84 arc(127.28,115.97) 127.06,116.01 126.14,116.01 arc(126.14,116.01) 126.14,116 arc(126.15,115.99) 126.15,115.97 126.15,114.44 arc(125.98,113.61) 125.51,112.9 125.09,112.48 arc(124.38,112) 123.55,111.84 v2(121.55,111.84) ; U34.1 75.01,30.12 arc(74.75,30.3) 74.44,30.36 74.09,30.36 arc(73.6,30.16) 73.4,29.67 73.4,26.72 arc(73.41,26.69) 73.43,26.66 v2(73.45,26.64) ; 40.4,6.64 40.4,10.68 arc(40.56,11.07) 40.96,11.24 41.23,11.24 arc(41.49,11.19) 41.71,11.04 U39.1 ; v2(111.85,26.64) 111.84,26.64 arc(111.84,26.65) 111.84,26.66 111.84,29.73 arc(112,30.12) 112.39,30.29 112.67,30.29 arc(112.93,30.24) 113.15,30.09 U36.1